# Altium PCB AI_XiaoZhi_4G.PcbDoc
Units mil, origin at the board's own origin, x right, y up, seen from the top; angles counter-clockwise.
Board outline 1968.5 x 1968.5 mil, 2 copper layers (Top Layer, Bottom Layer), stack 65.792 mil thick; 96 components, 71 nets, 464 pads, 82 vias.
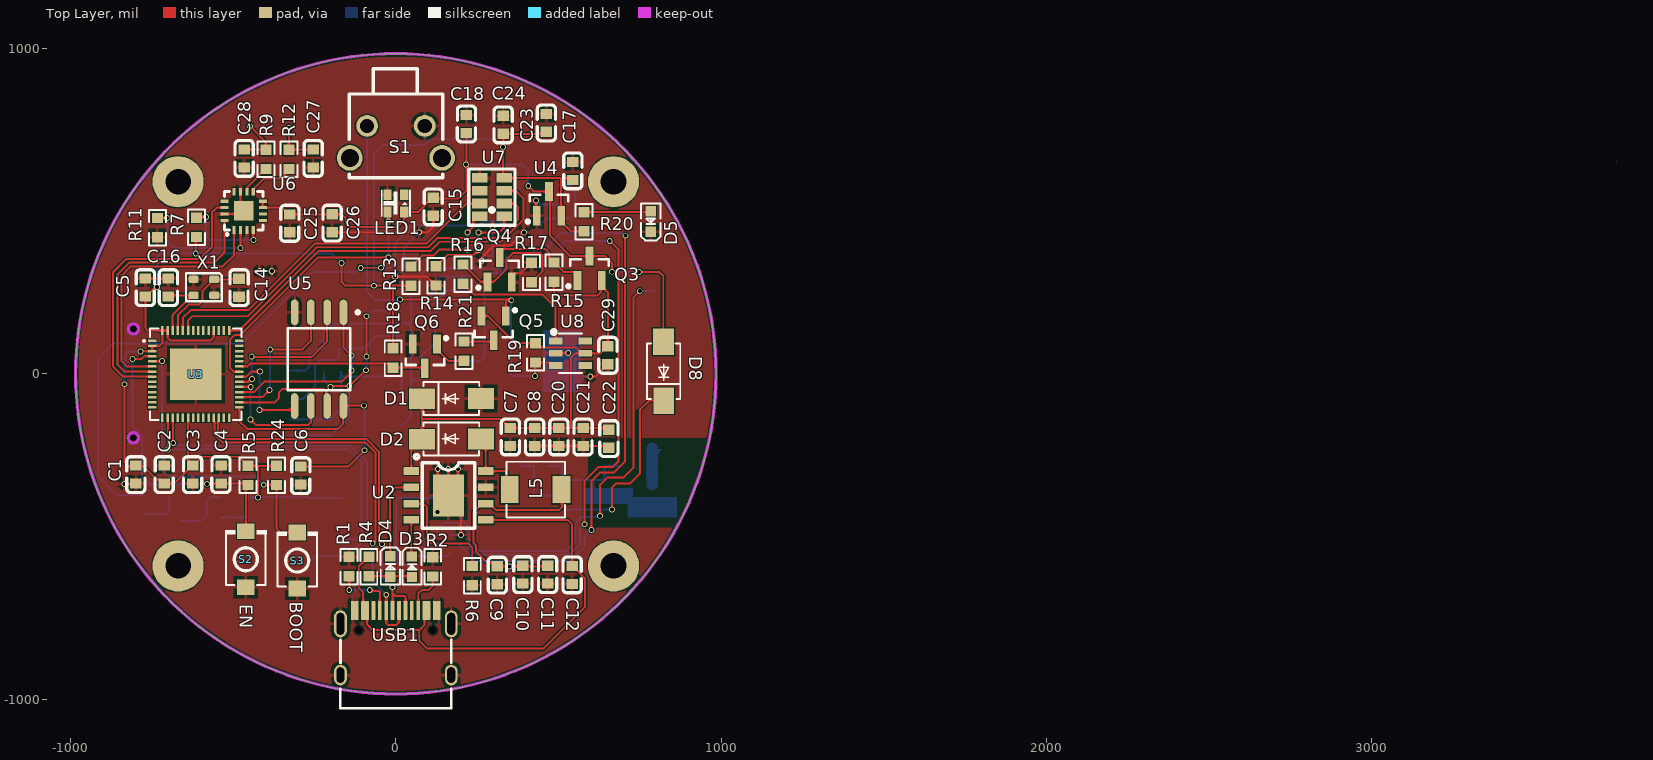
[diagram p0: Top Layer view]
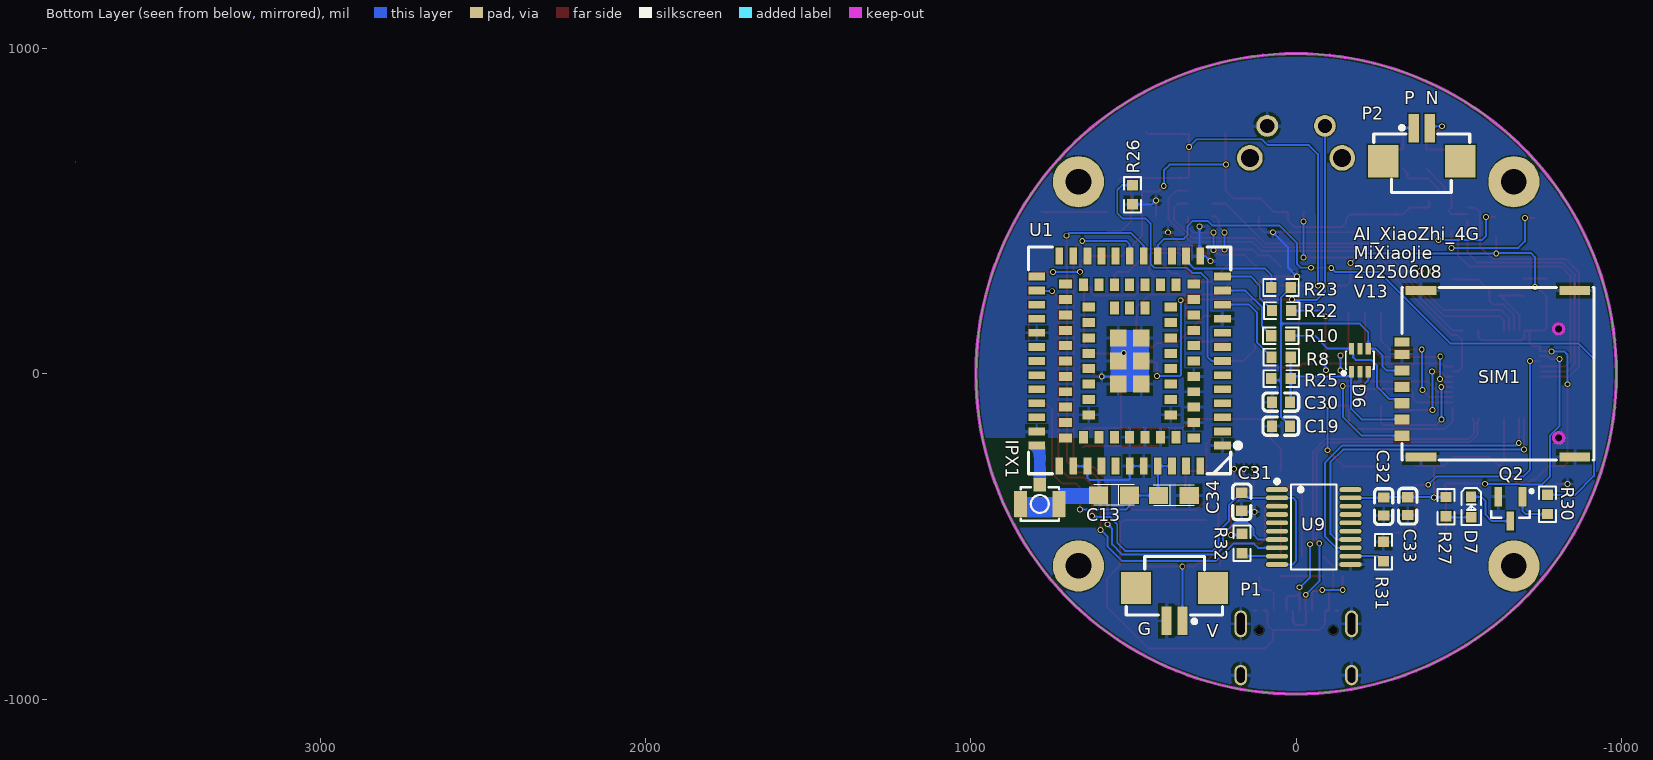
[diagram p1: Bottom Layer view, seen from below]
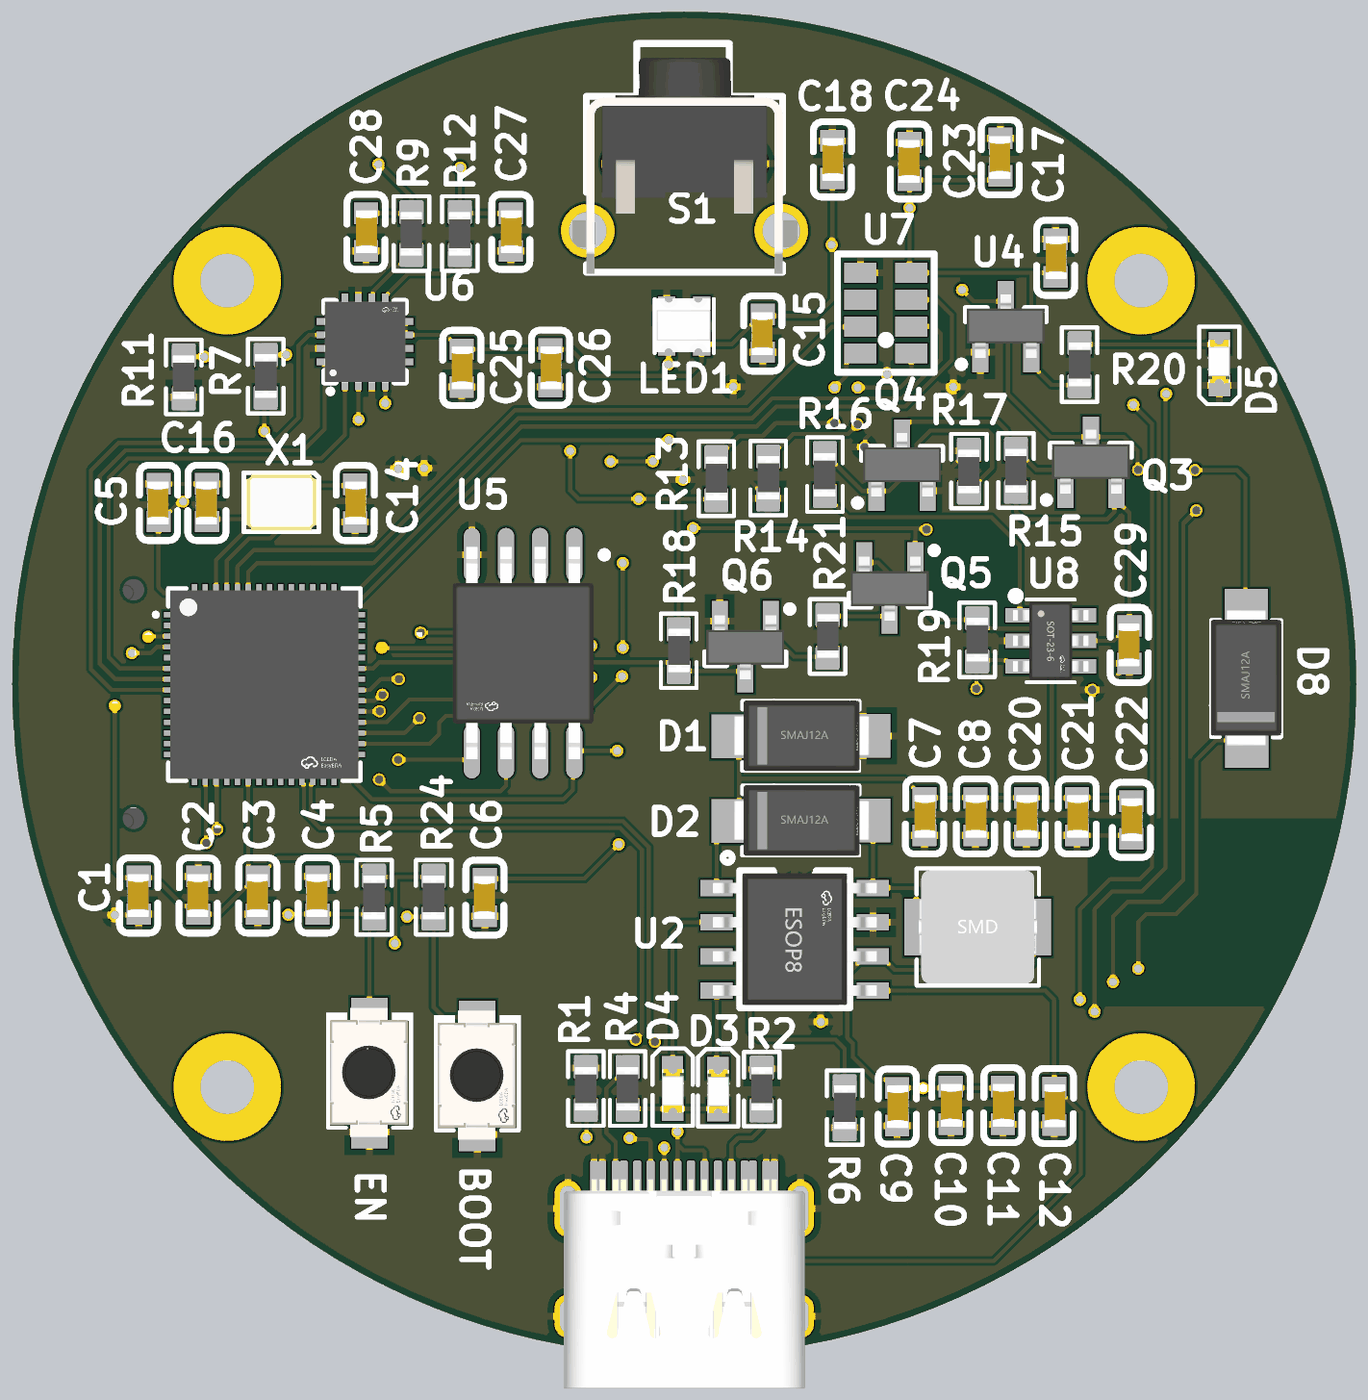
[diagram p2: 3D render of the assembled board from above, using the file's embedded part models]
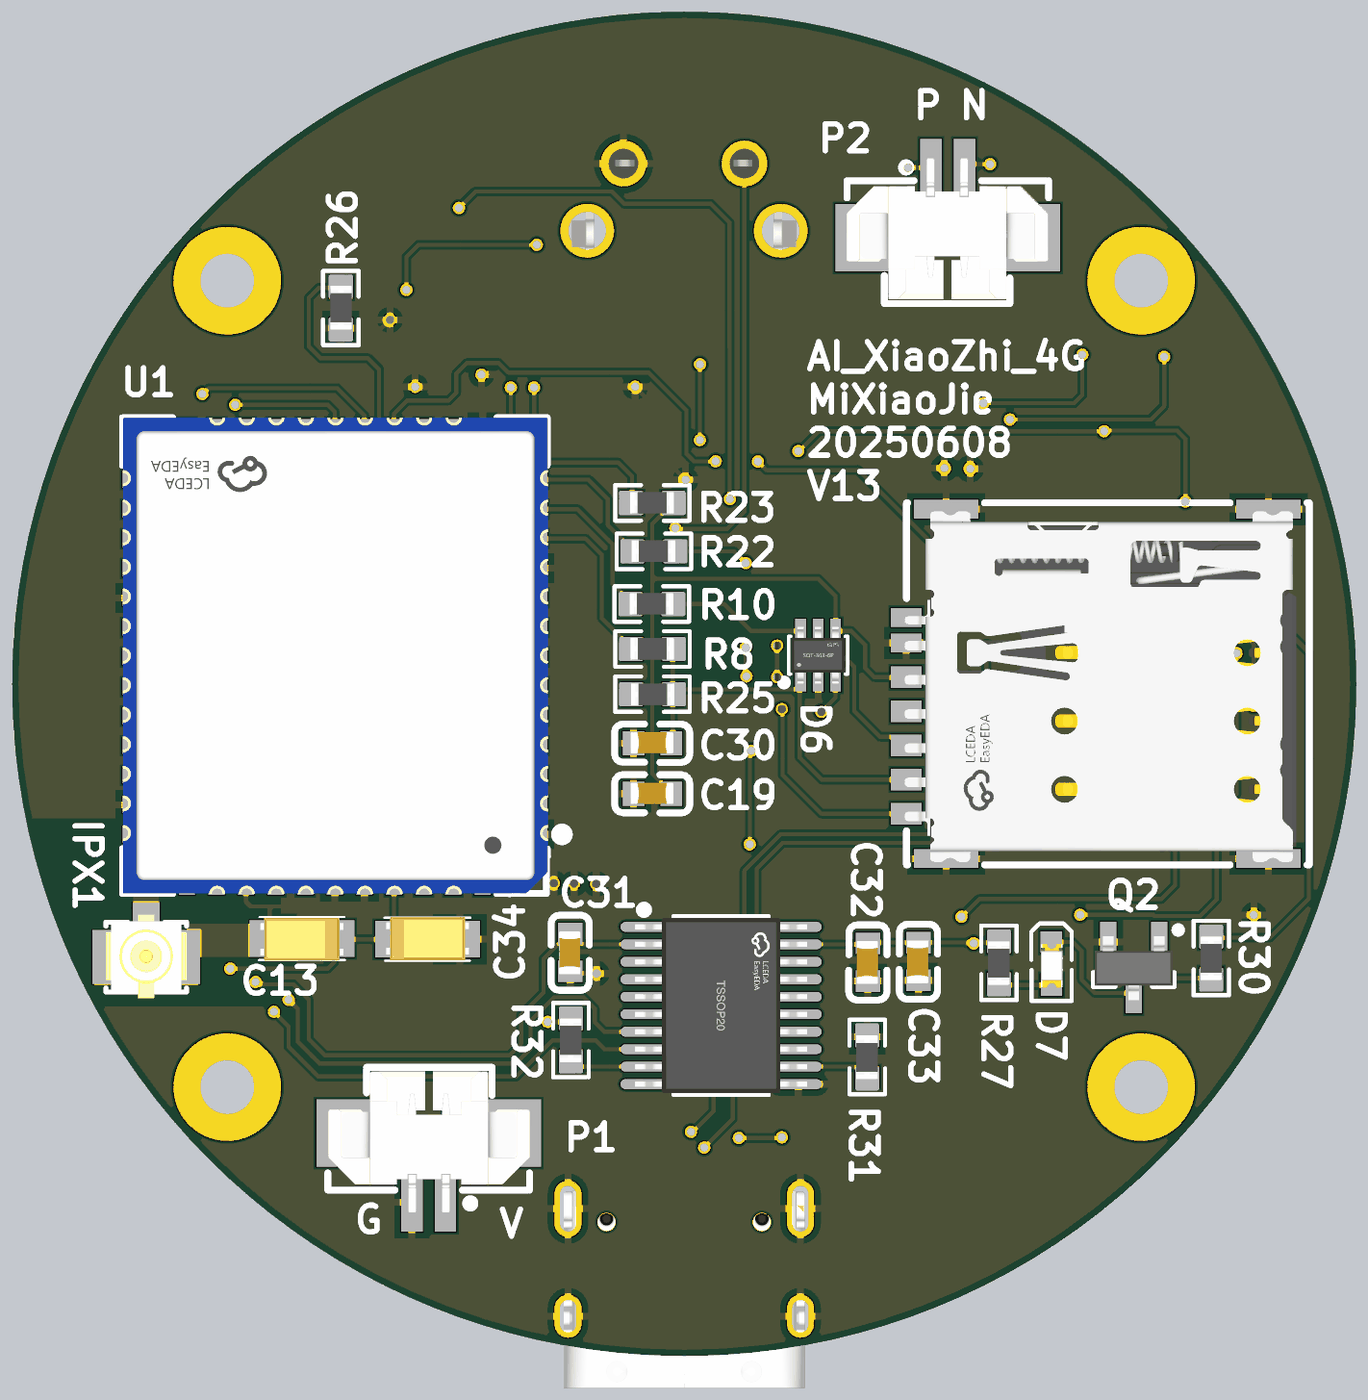
[diagram p3: 3D render of the assembled board from below, using the file's embedded part models]

## Layer stack, top to bottom
Top Solder: solder mask 0.4, Solder Resist, Dk 3.5
Top Layer: signal copper 1.4
Dielectric 1: dielectric 62.9921, FR-4, Dk 4.8
Bottom Layer: signal copper 1.4
Bottom Solder: solder mask 0.4, Solder Resist, Dk 3.5

## Board outline
0,-984.25 cw(c0,0) -984.25,0 cw(c0,0) 0,984.25 cw(c0,0) 984.25,0 cw(c0,0)

## Design rules (kind name [scope] priority, off if disabled: settings)
Clearance [All] p1: gap=4 ignorepadtopadclearanceinfootprint=FALSE
DiffPairsRouting [InDifferentialPairClass('All Differential Pairs')] p1: maxlimit=4 minlimit=4 mostfreqgap=4 toplayer_minwidth=6 toplayer_maxwidth=6 toplayer_prefwidth=6 bottomlayer_minwidth=6 bottomlayer_maxwidth=6 bottomlayer_prefwidth=6 maxuncoupledlength=500
HoleSize [All] p1: absolutevalues=TRUE maxlimit=100 minlimit=12 maxpercent=80.000 minpercent=20.000
MinimumSolderMaskSliver [All] p1: minsoldermaskwidth=2
PolygonConnect [All] p1: connectstyle=Relief reliefconductorwidth=10 reliefentries=4 polygonreliefangle="90 Angle" airgapwidth=10
RoutingVias [All] p1: holewidth=12 width=18 viastyle="Through Hole" minholewidth=12 minwidth=18 maxholewidth=28 maxwidth=50
SilkToSilkClearance [All] p1: silktosilkclearance=0
SilkToSolderMaskClearance [IsPad] p1: minsilkscreentomaskgap=0 clearancetoexposedcopper=TRUE
SolderMaskExpansion [All] p1: expansion=2 istentingtop=FALSE
Width [All] p1: maxlimit=100 minlimit=4 preferedwidth=4
25 further rules are at their usual default settings.

## Classes and differential pairs
differential pair USB: +USB_P -USB_N

## Components (designator, comment, footprint, x,y, rotation, side; value= is the part's Value field where it differs from the comment)
C1 "CAP" 0603-C -801,-309.89 r90 top value=1uF
C2 "CAP" 0603-C -713.78,-309.89 r90 top value=1uF
C3 "CAP" 0603-C -626.56,-309.89 r90 top value=1uF
C4 "CAP" 0603-C -539.34,-309.89 r90 top value=1uF
C5 "CAP" 0603-C -772,265 r90 top value=1uF
C6 "CAP" 0603-C -294,-313 r90 top value=100nF
C7 "CAP" 0603-C 354,-194 r270 top value=10uF
C8 "CAP" 0603-C 428.5,-194 r270 top value=100nF
C9 "CAP" 0603-C 314,-619 r270 top value=100nF
C10 "CAP" 0603-C 392.46,-617 r270 top value=22uF
C11 "CAP" 0603-C 468.67,-617 r270 top value=22uF
C12 "CAP" 0603-C 544,-618 r270 top value=10uF
C13 "CAP-P" CASE-A_3216 560,-373 r0 bottom value=100uF
C14 "CAP" 0603-C -480,265.03 r270 top value=10pF
C15 "CAP" 0603-C 113,513 r90 top value=10uF
C16 "CAP" 0603-C -701,265 r90 top value=10pF
C17 "CAP" 0603-C 546,624 r270 top value=10uF
C18 "CAP" 0603-C 219,768 r270 top value=100nF
C19 "CAP" 0603-C 47,-159 r180 bottom value=100nF
C20 "CAP" 0603-C 503,-194 r270 top value=10uF
C21 "CAP" 0603-C 577.5,-194 r270 top value=10uF
C22 "CAP" 0603-C 657,-199 r270 top value=10uF
C23 "CAP" 0603-C 461,771 r90 top value=100nF
C24 "CAP" 0603-C 328,765 r90 top value=10uF
C25 "CAP" 0603-C -323.95,462.78 r270 top value=100nF
C26 "CAP" 0603-C -194,463 r270 top value=10uF
C27 "CAP" 0603-C -252,662 r270 top value=100pF
C28 "CAP" 0603-C -464.25,662 r270 top value=100pF
C29 "CAP" 0603-C 650,57 r90 top value=10uF
C30 "CAP" 0603-C 47,-85 r180 bottom value=22pF
C31 "CAP" 0603-C 169.05,-393.78 r90 bottom value=100nF
C32 "CAP" 0603-C -267,-408 r90 bottom value=100nF
C33 "CAP" 0603-C -341,-407 r90 bottom value=1uF
C34 "CAP-P" CASE-A_3216 376,-374 r180 bottom value=100uF
D1 "Diode-Z" DIODE-SMA 172,-78 r180 top value=TVS-6V
D2 "Diode" DIODE-SMA 172,-202 r180 top
D3 "LED" 0603-LED 48,-596.75 r270 top
D4 "LED" 0603-LED -18.5,-595.88 r270 top
D5 "LED" 0603-LED 785.23,471.84 r90 top
D6 "SMF05CT1G" SOT-363 -196,42 r270 bottom
D7 "LED" 0603-LED -536.5,-412.88 r270 bottom
D8 "Diode" DIODE-SMA 825,9 r270 top
IPX1 "IPEX" IPEX 847.06,-400.06 r180 bottom
L5 "Inductor" SMD_L4.4-W4.2 430,-356 r0 top value=10uH
LED1 "XL-2020RGBC-WS2812B" LED-SMD_4P-L2.0-W2.0-BR-1 0,524 r90 top locked
P1 "Header 2" CONN-SMD_2P-P1.25-HC-1.25-2PWT 374.39,-708.41 r0 bottom
P2 "Header 2" CONN-SMD_2P-P1.25-HC-1.25-2PWT -386,704 r180 bottom
Q2 "S8050" SOT-23 -658.4,-415.4 r270 bottom
Q3 "PMOS" SOT-23 595.6,324.4 r90 top value=SI2305
Q4 "S8050" SOT-23 319,320 r90 top
Q5 "PMOS" SOT-23 301,140.4 r270 top value=SI2305
Q6 "S8050" SOT-23 89.4,54.6 r270 top
R1 "RES" 0603-R -145,-593 r90 top value=5.1K
R2 "RES" 0603-R 114.5,-592.88 r270 top value=5.1K
R4 "RES" 0603-R -84,-593 r90 top value=1K
R5 "RES" 0603-R -455.22,-312.89 r90 top value=4.7K
R6 "RES" 0603-R 236,-619.94 r270 top value=2K
R7 "RES" 0603-R -612,451 r270 top value=10K
R8 "RES" 0603-R 47,52 r180 bottom value=22R
R9 "RES" 0603-R -400.48,658.94 r90 top value=5R
R10 "RES" 0603-R 48,118 r180 bottom value=22R
R11 "RES" 0603-R -734,449 r90 top value=10K
R12 "RES" 0603-R -329.73,658.94 r90 top value=5R
R13 "RES" 0603-R 48,301 r270 top value=10K
R14 "RES" 0603-R 123.99,301.87 r270 top value=10K
R15 "RES" 0603-R 485,312 r90 top value=100K
R16 "RES" 0603-R 205,306 r90 top value=100K
R17 "RES" 0603-R 416,311 r90 top value=100K
R18 "RES" 0603-R -7,49 r270 top value=10K
R19 "RES" 0603-R 430,65 r270 top value=100K
R20 "RES" 0603-R 580,468 r270 top value=10K
R21 "RES" 0603-R 211,70 r270 top value=10K
R22 "RES" 0603-R 45,195 r180 bottom value=22R
R23 "RES" 0603-R 47.19,265.99 r180 bottom value=22R
R24 "RES" 0603-R -368,-312.89 r90 top value=4.7K
R25 "RES" 0603-R 46,-16 r0 bottom value=10K
R26 "RES" 0603-R 502,551 r270 bottom value=5.1K
R27 "RES" 0603-R -460,-409 r90 bottom value=5.1K
R30 "RES" 0603-R -771,-402 r90 bottom value=1K
R31 "RES" 0603-R -267.01,-546.87 r90 bottom value=51K
R32 "RES" 0603-R 167,-522 r90 bottom value=51K
S1 "SW-PB" SW_TS 0.42,712.79 r180 top locked
S2 "SW-PB" SW-SMD_L3.9-W3.0-P4.45 -461,-570 r90 top
S3 "SW-PB" SW-SMD_L3.9-W3.0-P4.45 -303,-574 r90 top
SIM1 "NANO SIM 7P H1.37" SIM-SMD_NANO-SIM-7P-H1.37 -590.55,0 r90 bottom
U1 "ML307R-DC" LGA-109_L17.7-W15.8-AIR780E 511.81,39.37 r0 bottom locked
U2 "TP5400" ESOP-8 162,-374 r270 top
U3 "ESP32-S3R8" QFN-56_L7.0-W7.0-P0.40-TL-EP4.0 -615,-1 r0 top
U4 "XC6206P33" SOT-23 471,523 r90 top
U5 "BY25Q128ASSIG(T)" SOIC-8 -236,45 r270 top
U6 "MAX98357AETE+T" TQFN-16 -467.59,501.05 r0 top
U7 "MSM261S4030H0R" MIC-SMD_8P-L4.0-W3.0-P1.00-BR 295.4,543.05 r180 top
U8 "EC190708" SOT-23-6 536.76,63 r270 top
U9 "TXB0108PWR" TSSOP-20_L6.5-W4.4-P0.65-LS6.4-BL -54,-471 r270 bottom
USB1 "Type-C" Type-C-TOP 0,-826.77 r270 top locked
X1 "40MHz" 2520-XTAL -590,266 r180 top

## Footprints (in the part's own frame and the unit in brackets; to place one, negate y for a bottom-side part, rotate by r counter-clockwise, add the part's x,y. Pads: shape width x height; smd on the part's side, far side on the other; paste and mask are expansions set on the pad)
0603-C [mm] "无极性"
  rect 0.8x0.9 smd: 1(-0.692,-0.052) 2(0.709,-0.052)
  silkscreen extent -1.4,-0.76 1.4,0.66, body extent -0.8,-0.43 0.8,0.37, height 0.9
0603-LED [mm] "带丝印层"
  rect 0.8x0.8 smd: 1(0.714,0.038) 2(-0.885,0.031)
  silkscreen extent -1.57,-0.71 1.31,0.79, body extent -0.81,-0.35 0.81,0.46, height 0.81
0603-R [mil] "无极性"
  rect 31.75x34.02 smd paste-3937.01 mask+2: 1(-29.13,-0.99) 2(30.19,-0.99)
  silkscreen extent -54,-27 55,25, body extent -32,-17 32,15, height 22
2520-XTAL [mm]
  rrect50% 0.8x0.6 smd: 1(-0.81,-0.625) 2(0.81,-0.625) 3(0.81,0.625) 4(-0.81,0.625)
  silkscreen extent -1.4,-1.1 1.4,1.1, body extent -1.3,-1.05 1.3,1.05, height 0.55
CASE-A_3216 [mil]
  rect 59.05x53.5 smd: 1(-47.24,0) 2(47.24,0)
  silkscreen extent -63,-32 63,32, body extent -63,-30 63,32, height 31
CONN-SMD_2P-P1.25-HC-1.25-2PWT [mm]
  rect 0.8x2.2 smd paste+0 mask+0.05: 1(-0.625,1.285) 2(0.625,1.285)
  rect 2.35x2.5 smd paste+0 mask+0.05: 3(-3.005,-1.285) 4(3.005,-1.285)
  silkscreen extent -3.75,-3.73 3.75,1.48, body extent -3.77,-3.57 3.73,1.68, height 3.4
DIODE-SMA [mm] "贴片二极管"
  rect 2.046x1.62 smd: 1(-2.279,-0.046) 2(2.329,-0.028)
  silkscreen extent -2.14,-1.36 2.21,1.25, body extent -2.52,-1.37 2.52,1.26, height 2
ESOP-8 [mm]
  rect 0.6x1.2 smd: 1(-1.905,-2.908) 2(-0.635,-2.908) 3(0.635,-2.908) 4(1.905,-2.908) 5(1.905,2.908) 6(0.635,2.908) 7(-0.635,2.908) 8(-1.905,2.908)
  rect 3.3x2.4 smd: 9(0,0)
  silkscreen extent -3.2,-2.67 2.55,2.05, body extent -2.45,-3.05 2.45,3.05, height 1.6
IPEX [mm]
  rect 1x2 smd: 1(0,0) 3(3,0)
  rect 1x1.05 smd: 2(1.5,1.5)
  silkscreen extent 0,-1.3 3,1.3, body extent 0,-1.52 3,1.58, height 1.25
LED-SMD_4P-L2.0-W2.0-BR-1 [mm]
  rect 0.85x0.65 smd paste+0 mask+0.05: 1(0.675,-0.65) 2(0.675,0.65) 3(-0.675,0.65) 4(-0.675,-0.65)
  silkscreen extent -1,-1.1 1,1.1, body extent -0.97,-0.98 1.03,1.03, height 0.82
LGA-109_L17.7-W15.8-AIR780E [mm]
  rect 1.3x0.6 smd paste+0 mask+0.05: 1(-7.25,6.6) 2(-7.25,5.5) 3(-7.25,4.4) 4(-7.25,3.3) 5(-7.25,2.2) 6(-7.25,1.1) 7(-7.25,0) 8(-7.25,-1.1) 9(-7.25,-2.2) 10(-7.25,-3.3) 11(-7.25,-4.4) 12(-7.25,-5.5) 13(-7.25,-6.6) 23(7.25,-6.6) 24(7.25,-5.5) 25(7.25,-4.4) 26(7.25,-3.3) 27(7.25,-2.2) 28(7.25,-1.1) 29(7.25,0) 30(7.25,1.1) 31(7.25,2.2) 32(7.25,3.3) 33(7.25,4.4) 34(7.25,5.5) 35(7.25,6.6)
  rect 0.6x1.3 smd paste+0 mask+0.05: 14(-4.4,-8.2) 15(-3.3,-8.2) 16(-2.2,-8.2) 17(-1.1,-8.2) 18(0,-8.2) 19(1.1,-8.2) 20(2.2,-8.2) 21(3.3,-8.2) 22(4.4,-8.2) 36(4.4,8.2) 37(3.3,8.2) 38(2.2,8.2) 39(1.1,8.2) 40(0,8.2) 41(-1.1,8.2) 42(-2.2,8.2) 43(-3.3,8.2) 44(-4.4,8.2) 95(-5.5,-8.2) 96(5.5,-8.2) 97(5.5,8.2) 98(-5.5,8.2)
  rect 1x0.7 smd paste+0 mask+0.05: 45(-5,4.8) 46(-5,3.6) 47(-5,2.4) 48(-5,1.2) 49(-5,0) 50(-5,-1.2) 51(-5,-2.4) 52(-5,-3.6) 53(-5,-4.8) 59(5,-4.8) 60(5,-3.6) 61(5,-2.4) 62(5,-1.2) 63(5,0) 64(5,1.2) 65(5,2.4) 66(5,3.6) 67(5,4.8) 73(-3.2,4.2) 74(-3.2,3) 75(-3.2,1.8) 76(-3.2,0.6) 77(-3.2,-0.6) 78(-3.2,-1.8) 79(-3.2,-3) 80(-3.2,-4.2) 81(3.2,-4.2) 82(3.2,-3) 83(3.2,-1.8) 84(3.2,-0.6) 85(3.2,0.6) 86(3.2,1.8) 87(3.2,3) 88(3.2,4.2) 99(-5,6) 100(-5,-6) 103(5,-6) 104(5,6)
  rect 0.7x1 smd paste+0 mask+0.05: 54(-2.4,-5.95) 55(-1.2,-5.95) 56(0,-5.95) 57(1.2,-5.95) 58(2.4,-5.95) 68(2.4,5.95) 69(1.2,5.95) 70(0,5.95) 71(-1.2,5.95) 72(-2.4,5.95) 101(-3.6,-5.95) 102(3.6,-5.95) 105(3.6,5.95) 106(-3.6,5.95) 107(-1.2,-4.15) 108(0,-4.15) 109(1.2,-4.15)
  rect 1.3x1.3 smd paste+0 mask+0.05: 89(-0.9,1.8) 90(-0.9,0) 91(-0.9,-1.8) 92(0.9,-1.8) 93(0.9,0) 94(0.9,1.8)
  silkscreen extent -8.65,-8.9 7.9,8.81, body extent -7.94,-8.91 7.88,8.81, height 2.46
MIC-SMD_8P-L4.0-W3.0-P1.00-BR [mm]
  rect 1.2x0.75 smd paste+0 mask+0.05: 1(0.95,-1.5) 2(0.95,-0.5) 3(0.95,0.5) 4(0.95,1.5) 5(-0.95,1.5) 6(-0.95,0.5) 7(-0.95,-0.5) 8(-0.95,-1.5)
  silkscreen extent -1.8,-2.2 1.8,2.2
QFN-56_L7.0-W7.0-P0.40-TL-EP4.0 [mm]
  rect 0.665x0.2 smd paste-100 mask+0.051: 1(-3.408,2.6) 2(-3.408,2.2) 3(-3.408,1.8) 4(-3.408,1.4) 5(-3.408,1) 6(-3.408,0.6) 7(-3.408,0.2) 8(-3.408,-0.2) 9(-3.408,-0.6) 10(-3.408,-1) 11(-3.408,-1.4) 12(-3.408,-1.8) 13(-3.408,-2.2) 14(-3.408,-2.6) 29(3.408,-2.6) 30(3.408,-2.2) 31(3.408,-1.8) 32(3.408,-1.4) 33(3.408,-1) 34(3.408,-0.6) 35(3.408,-0.2) 36(3.408,0.2) 37(3.408,0.6) 38(3.408,1) 39(3.408,1.4) 40(3.408,1.8) 41(3.408,2.2) 42(3.408,2.6)
  rect 0.2x0.665 smd paste-100 mask+0.051: 15(-2.6,-3.408) 16(-2.2,-3.408) 17(-1.8,-3.408) 18(-1.4,-3.408) 19(-1,-3.408) 20(-0.6,-3.408) 21(-0.2,-3.408) 22(0.2,-3.408) 23(0.6,-3.408) 24(1,-3.408) 25(1.4,-3.408) 26(1.8,-3.408) 27(2.2,-3.408) 28(2.6,-3.408) 43(2.6,3.408) 44(2.2,3.408) 45(1.8,3.408) 46(1.4,3.408) 47(1,3.408) 48(0.6,3.408) 49(0.2,3.408) 50(-0.2,3.408) 51(-0.6,3.408) 52(-1,3.408) 53(-1.4,3.408) 54(-1.8,3.408) 55(-2.2,3.408) 56(-2.6,3.408)
  rect 4x4 smd paste-100 mask+0.051: 57(0,0)
  silkscreen extent -4.11,-3.58 3.58,3.58, body extent -3.5,-3.5 3.5,3.5, height 0.85
SIM-SMD_NANO-SIM-7P-H1.37 [mm]
  rect 0.8x1.138 smd paste+0 mask+0.05: 1(0.25,6.74) 2(-2.29,6.74) 3(-4.83,6.74) 6(-1.02,6.74) 7(-3.56,6.74)
  rect 0.7x1.138 smd paste+0 mask+0.05: 5(1.52,6.74) 8(2.47,6.74)
  rect 0.7x2.4 smd paste+0 mask+0.05: 9(-6.5,5.26) 10(-6.5,-6.74) 11(6.5,-6.74) 12(6.5,5.26)
  Keep-Out Layer board cut-out: 3.9,-5.49 3.86,-5.317 3.749,-5.178 3.589,-5.1 3.411,-5.1 3.251,-5.178 3.14,-5.317 3.1,-5.49 3.1,-5.49 3.14,-5.664 3.251,-5.803 3.411,-5.88 3.589,-5.88 3.749,-5.803 3.86,-5.664 3.9,-5.49
  Keep-Out Layer board cut-out: -4.6,-5.49 -4.639,-5.317 -4.75,-5.178 -4.911,-5.1 -5.089,-5.1 -5.249,-5.178 -5.36,-5.317 -5.4,-5.49 -5.4,-5.49 -5.36,-5.664 -5.249,-5.803 -5.089,-5.88 -4.911,-5.88 -4.75,-5.803 -4.639,-5.664 -4.6,-5.49